# Altium PCB apt_battery_bms.PcbDoc (part 2 of 3) (continued)
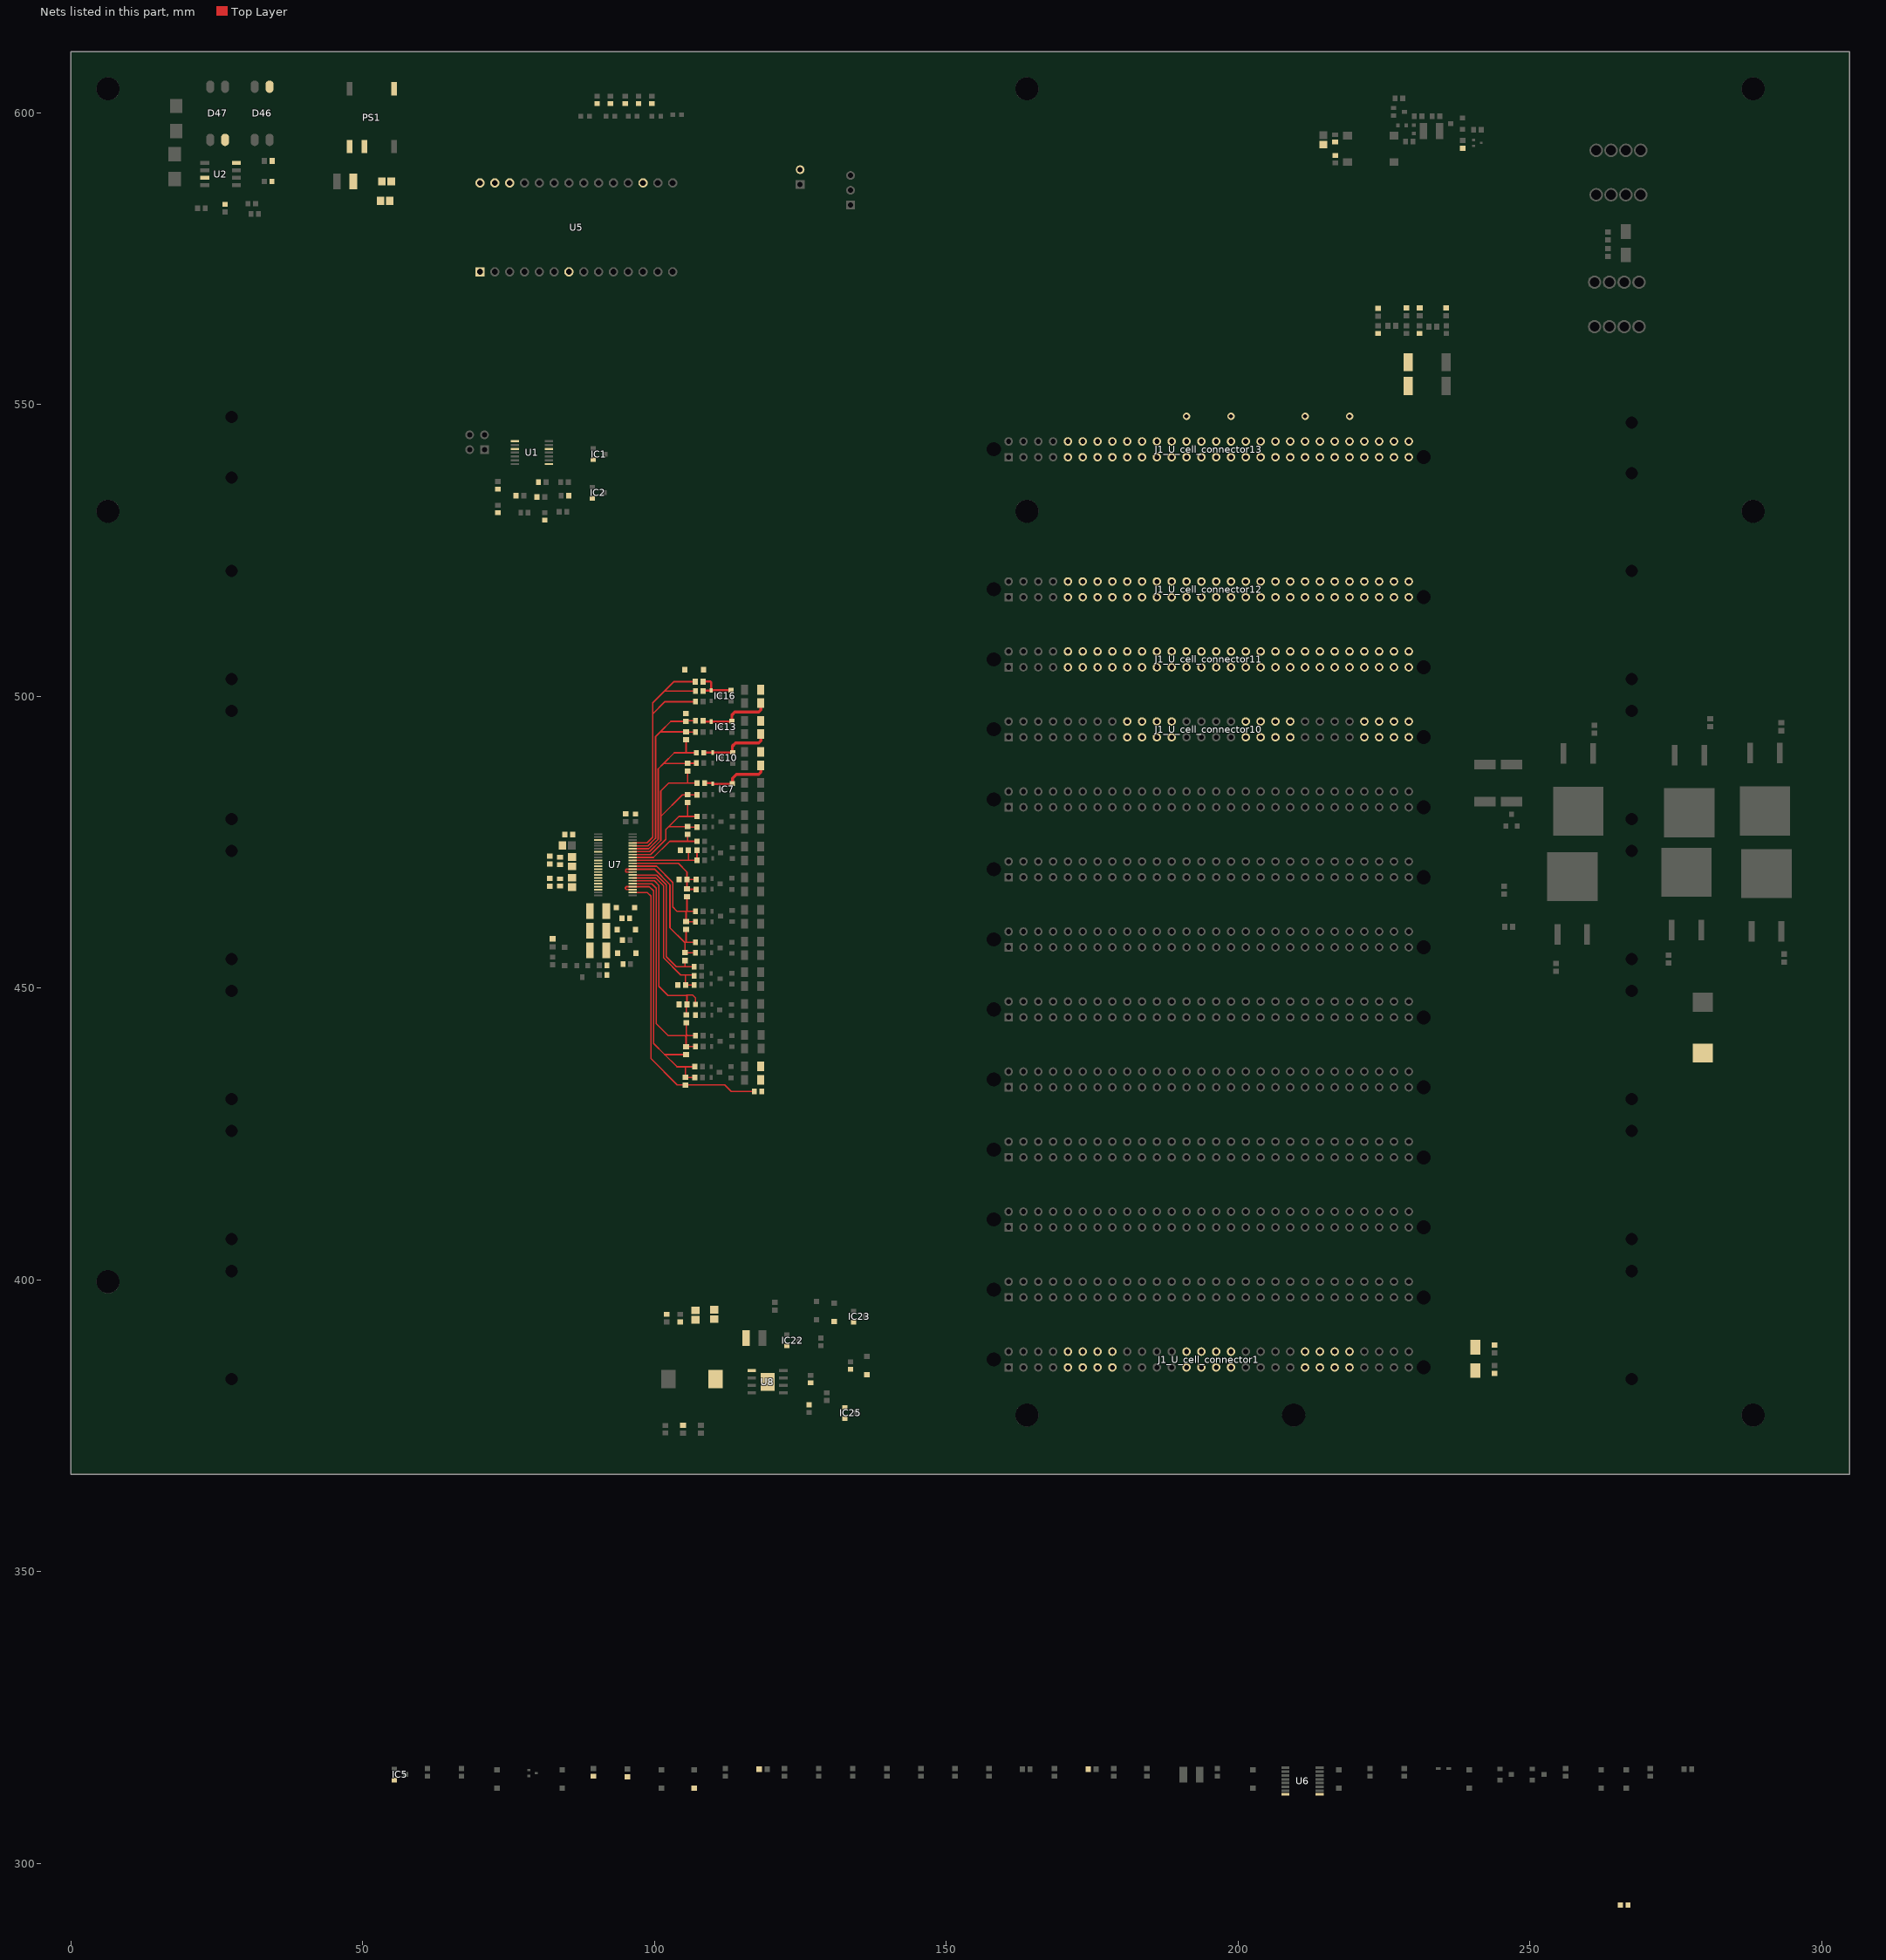
[diagram p2: the nets of this part, all layers, seen from the top]
## Part data (continued)
IC2 IC19: library part ZXMP10A13FTA, "MOSFET P-CH 100V 0.6A SOT23-3", Current - Continuous Drain (Id) @ 25°C="600mA (Ta)", Drain to Source Voltage (Vdss)=100V, Drive Voltage (Max Rds On,  Min Rds On)="6V, 10V", Input Capacitance (Ciss) (Max) @ Vds="141pF @ 50V", Manufacturer="Diodes Incorporated", Operating Temperature="-55°C ~ 150°C (TJ)", Package / Case="TO-236-3, SC-59, SOT-23-3", Power Dissipation (Max)="625mW (Ta)", Supplier Device Package=SOT-23-3, Supplier Part Number 1=ZXMP10A13FCT-ND, ComponentLink1Description=Datasheet, ComponentLink1URL=https://www.diodes.com/assets/Datasheets/ZXMP10A13F.pdf, ComponentLink2Description="DigiKey Link", ComponentLink2URL=http://digikey.com/product-detail/en/diodes-incorporated/ZXMP10A13FTA/ZXMP10A13FCT-ND/560670, FET Type=P-Channel, Gate Charge (Qg) (Max) @ Vgs="3.5nC @ 10V", LastUpdated="9/2/2020 1:25:04 AM", Lifecycle Status=Active, Minimum Order=1, Mounting Type="Surface Mount", Packaging=TapeAndReel, Part Number=ZXMP10A13FTA, Part Status=Active, Price=0.20, Rds On (Max) @ Id, Vgs="1Ohm @ 600mA, 10V", Series=-, Supplier 1=DigiKey, Technology="MOSFET (Metal Oxide)", Vgs (Max)=±20V, Vgs(th) (Max) @ Id="4V @ 250µA"
IC3: library part 2N7002-7-F, "MOSFET N-CH 60V 115MA SOT23-3", Current - Continuous Drain (Id) @ 25°C="115mA (Ta)", Drain to Source Voltage (Vdss)=60V, Drive Voltage (Max Rds On,  Min Rds On)="5V, 10V", Input Capacitance (Ciss) (Max) @ Vds="50pF @ 25V", Manufacturer="Diodes Incorporated", Operating Temperature="-55°C ~ 150°C (TJ)", Package / Case="TO-236-3, SC-59, SOT-23-3", Power Dissipation (Max)="370mW (Ta)", Supplier Device Package=SOT-23-3, Supplier Part Number 1=2N7002-FDICT-ND, ComponentLink1Description=Datasheet, ComponentLink1URL=https://www.diodes.com/assets/Datasheets/ds11303.pdf, ComponentLink2Description="DigiKey Link", ComponentLink2URL=http://digikey.com/product-detail/en/diodes-incorporated/2N7002-7-F/2N7002-FDICT-ND/717800, FET Type=N-Channel, LastUpdated="9/2/2020 1:25:03 AM", Lifecycle Status=Active, Minimum Order=1, Mounting Type="Surface Mount", Packaging=TapeAndReel, Part Number=2N7002-7-F, Part Status=Active, Price=0.03, Rds On (Max) @ Id, Vgs="7.5Ohm @ 50mA, 5V", Series=-, Supplier 1=DigiKey, Technology="MOSFET (Metal Oxide)", Vgs (Max)=±20V, Vgs(th) (Max) @ Id="2.5V @ 250µA"
IC4: library part BSS84-7-F, "MOSFET P-CH 50V 130MA SOT23-3", Current - Continuous Drain (Id) @ 25°C="130mA (Ta)", Drain to Source Voltage (Vdss)=50V, Drive Voltage (Max Rds On,  Min Rds On)=5V, Input Capacitance (Ciss) (Max) @ Vds="45pF @ 25V", Manufacturer="Diodes Incorporated", Operating Temperature="-55°C ~ 150°C (TJ)", Package / Case="TO-236-3, SC-59, SOT-23-3", Power Dissipation (Max)="300mW (Ta)", Supplier Device Package=SOT-23-3, Supplier Part Number 1=BSS84-FDICT-ND, ComponentLink1Description=Datasheet, ComponentLink1URL=https://www.diodes.com/assets/Datasheets/ds30149.pdf, ComponentLink2Description="DigiKey Link", ComponentLink2URL=http://digikey.com/product-detail/en/diodes-incorporated/BSS84-7-F/BSS84-FDICT-ND/717844, FET Type=P-Channel, LastUpdated="9/2/2020 1:25:04 AM", Lifecycle Status=Active, Minimum Order=1, Mounting Type="Surface Mount", Packaging=TapeAndReel, Part Number=BSS84-7-F, Part Status=Active, Price=0.03, Rds On (Max) @ Id, Vgs="10Ohm @ 100mA, 5V", Series=-, Supplier 1=DigiKey, Technology="MOSFET (Metal Oxide)", Vgs (Max)=±20V, Vgs(th) (Max) @ Id="2V @ 1mA"
IC6 IC7 IC8 IC9 IC10 IC11 IC12 IC13 IC14 IC15 IC16 IC17 IC18: library part DMG2302UK-7, "MOSFET N-CH 20V 2.8A SOT23", Current - Continuous Drain (Id) @ 25°C="2.8A (Ta)", Drain to Source Voltage (Vdss)=20V, Drive Voltage (Max Rds On,  Min Rds On)="2.5V, 4.5V", Input Capacitance (Ciss) (Max) @ Vds="130pF @ 10V", Manufacturer="Diodes Incorporated", Operating Temperature="-55°C ~ 150°C (TJ)", Package / Case="TO-236-3, SC-59, SOT-23-3", Power Dissipation (Max)="660mW (Ta)", Supplier Device Package=SOT-23, Supplier Part Number 1=DMG2302UK-7DICT-ND, ComponentLink1Description=Datasheet, ComponentLink1URL=https://www.diodes.com/assets/Datasheets/DMG2302UK.pdf, ComponentLink2Description="DigiKey Link", ComponentLink2URL=http://digikey.com/product-detail/en/diodes-incorporated/DMG2302UK-7/DMG2302UK-7DICT-ND/6010163, FET Type=N-Channel, Gate Charge (Qg) (Max) @ Vgs="2.8nC @ 10V", LastUpdated="9/2/2020 1:25:02 AM", Lifecycle Status=Active, Minimum Order=1, Mounting Type="Surface Mount", Packaging=TapeAndReel, Part Number=DMG2302UK-7, Part Status=Active, Price=0.06, Rds On (Max) @ Id, Vgs="90mOhm @ 3.6A, 4.5V", Series="Automotive, AEC-Q101", Supplier 1=DigiKey, Technology="MOSFET (Metal Oxide)", Vgs (Max)=±12V, Vgs(th) (Max) @ Id="1V @ 250µA"
IC22 IC24: "MOSFET P-CH 100V 0.6A SOT23-3", Current - Continuous Drain (Id) @ 25°C="600mA (Ta)", Drain to Source Voltage (Vdss)=100V, Drive Voltage (Max Rds On,  Min Rds On)="6V, 10V", Input Capacitance (Ciss) (Max) @ Vds="141pF @ 50V", Manufacturer="Diodes Incorporated", Operating Temperature="-55°C ~ 150°C (TJ)", Package / Case="TO-236-3, SC-59, SOT-23-3", Power Dissipation (Max)="625mW (Ta)", Supplier Device Package=SOT-23-3, Supplier Part Number 1=ZXMP10A13FCT-ND, ComponentLink1Description=Datasheet, ComponentLink1URL=https://www.diodes.com/assets/Datasheets/ZXMP10A13F.pdf, ComponentLink2Description="DigiKey Link", ComponentLink2URL=http://digikey.com/product-detail/en/diodes-incorporated/ZXMP10A13FTA/ZXMP10A13FCT-ND/560670, FET Type=P-Channel, Gate Charge (Qg) (Max) @ Vgs="3.5nC @ 10V", LastUpdated="9/2/2020 1:25:04 AM", Lifecycle Status=Active, Minimum Order=1, Mounting Type="Surface Mount", Packaging=TapeAndReel, Part Number=ZXMP10A13FTA, Part Status=Active, Price=0.20, Rds On (Max) @ Id, Vgs="1Ohm @ 600mA, 10V", Series=-, Supplier 1=DigiKey, Technology="MOSFET (Metal Oxide)", Vgs (Max)=±20V, Vgs(th) (Max) @ Id="4V @ 250µA"
IC23: "MOSFET N-CH 100V 170MA SOT-23", Current - Continuous Drain (Id) @ 25°C="170mA (Ta)", Drain to Source Voltage (Vdss)=100V, Drive Voltage (Max Rds On,  Min Rds On)="4.5V, 10V", Input Capacitance (Ciss) (Max) @ Vds="73pF @ 25V", Manufacturer="ON Semiconductor", Operating Temperature="-55°C ~ 150°C (TJ)", Package / Case="TO-236-3, SC-59, SOT-23-3", Power Dissipation (Max)="360mW (Ta)", Supplier Device Package=SOT-23-3, Supplier Part Number 1=BSS123NCT-ND, ComponentLink1Description=Datasheet, ComponentLink1URL=https://www.onsemi.com/pub/Collateral/BSS123-D.PDF, ComponentLink2Description="DigiKey Link", ComponentLink2URL=http://digikey.com/product-detail/en/on-semiconductor/BSS123/BSS123NCT-ND/244665, FET Type=N-Channel, Gate Charge (Qg) (Max) @ Vgs="2.5nC @ 10V", LastUpdated="9/2/2020 1:25:08 AM", Lifecycle Status=Active, Minimum Order=1, Mounting Type="Surface Mount", Packaging=TapeAndReel, Part Number=BSS123, Part Status=Active, Price=0.06, Rds On (Max) @ Id, Vgs="6Ohm @ 170mA, 10V", Series=-, Supplier 1=DigiKey, Technology="MOSFET (Metal Oxide)", Vgs (Max)=±20V, Vgs(th) (Max) @ Id="2V @ 1mA"
IC25: "MOSFET N-CH 60V 115MA SOT23-3", Current - Continuous Drain (Id) @ 25°C="115mA (Ta)", Drain to Source Voltage (Vdss)=60V, Drive Voltage (Max Rds On,  Min Rds On)="5V, 10V", Input Capacitance (Ciss) (Max) @ Vds="50pF @ 25V", Manufacturer="Diodes Incorporated", Operating Temperature="-55°C ~ 150°C (TJ)", Package / Case="TO-236-3, SC-59, SOT-23-3", Power Dissipation (Max)="370mW (Ta)", Supplier Device Package=SOT-23-3, Supplier Part Number 1=2N7002-FDICT-ND, ComponentLink1Description=Datasheet, ComponentLink1URL=https://www.diodes.com/assets/Datasheets/ds11303.pdf, ComponentLink2Description="DigiKey Link", ComponentLink2URL=http://digikey.com/product-detail/en/diodes-incorporated/2N7002-7-F/2N7002-FDICT-ND/717800, FET Type=N-Channel, LastUpdated="9/2/2020 1:25:03 AM", Lifecycle Status=Active, Minimum Order=1, Mounting Type="Surface Mount", Packaging=TapeAndReel, Part Number=2N7002-7-F, Part Status=Active, Price=0.03, Rds On (Max) @ Id, Vgs="7.5Ohm @ 50mA, 5V", Series=-, Supplier 1=DigiKey, Technology="MOSFET (Metal Oxide)", Vgs (Max)=±20V, Vgs(th) (Max) @ Id="2.5V @ 250µA"
J1_U_cell_connector1 J1_U_cell_connector2 J1_U_cell_connector3 J1_U_cell_connector4 J1_U_cell_connector5 J1_U_cell_connector6 J1_U_cell_connector7 J1_U_cell_connector8 J1_U_cell_connector9 J1_U_cell_connector10 J1_U_cell_connector11 J1_U_cell_connector12 J1_U_cell_connector13: library part "10119810-002LF - Connector", "56 Position Female Connector Non Specified - Dual Edge Gold or Gold, GXT™  Black", Manufacturer="Amphenol ICC (FCI)", Supplier Part Number 1=10119810-002LF-ND, ComponentLink1Description=https://cdn.amphenol-icc.com/media/wysiwyg/files/drawing/10119810.pdf, ComponentLink1URL=https://cdn.amphenol-icc.com/media/wysiwyg/files/drawing/10119810.pdf, Detailed Description="56 Position Female Connector Non Specified - Dual Edge Gold or Gold, GXT™  Black", Manufacturer Part Number=10119810-002LF, Supplier 1=Digi-Key, System=Connector
J3 J5: "TERM REDCUBE M4 8PIN PCB 160A Current", Current Rating=160A, Manufacturer="Wurth Electronics", Max Operating Temperature=135°C, Min Operating Temperature=-40°C, Mouser Part Number=710-7460307, Package Quantity=250, Supplier Part Number 1=732-3201-ND, ComponentLink1Description=http://www.farnell.com/datasheets/1736661.pdf?src-supplier=Newark, ComponentLink1URL=http://www.farnell.com/datasheets/1736661.pdf?src-supplier=Newark, ComponentLink2Description=http://www.mouser.com/ds/2/445/7460307-537852.pdf?src-supplier=Mouser, ComponentLink2URL=http://www.mouser.com/ds/2/445/7460307-537852.pdf?src-supplier=Mouser, ComponentLink3Description=https://katalog.we-online.de/em/datasheet/7460307.pdf?src-supplier=Digi-Key, ComponentLink3URL=https://katalog.we-online.de/em/datasheet/7460307.pdf?src-supplier=Digi-Key, ComponentLink4Description=http://www.farnell.com/datasheets/1736661.pdf?src-supplier=Element14, ComponentLink4URL=http://www.farnell.com/datasheets/1736661.pdf?src-supplier=Element14, Contact Material=Copper, Contact Plating=Tin, Datasheet Link=https://katalog.we-online.com/em/datasheet/7460307.pdf, Height=7mm, Insulation=Non-Insulated, Length=9mm, Manufacturer Part Number=7460307, Mount="Through Hole", Mouser Price/Stock=https://www.mouser.co.uk/ProductDetail/Wurth-Elektronik/7460307?qs=lykWx4dhCCG1TLZtVq%252B8cQ%3D%3D, Number of Contacts=8, Number of Pins=8, Number of Rows=2, Packaging=Bulk, Pricing 1="1=2.55, 10=2.356, 50=2.142, 100=1.947, 500=1.693 (USD)", REACH SVHC=Unknown, Stock 1=4846, Supplier 1=Digi-Key, Termination=Press-Fit, Thread Size=M4, Width=9mm
L1: library part SLF10145T-680M1R2-PF, "FIXED IND 68UH 1.3A 168 MOHM SMD", Current - Saturation=1.2A, Current Rating (Amps)=1.3A, DC Resistance (DCR)="168mOhm Max", Device Package=Nonstandard, Inductance Frequency - Test=1kHz, Manufacturer="TDK Corporation", Operating Temperature="-40°C ~ 105°C", Supplier Part Number 1=445-1987-1-ND, Tolerance=±20%, ComponentLink1Description=Datasheet, ComponentLink1URL=https://product.tdk.com/info/en/catalog/datasheets/inductor_commercial_power_slf10145_en.pdf?ref_disty=digikey, ComponentLink2Description="DigiKey Link", ComponentLink2URL=http://digikey.com/product-detail/en/tdk-corporation/SLF10145T-680M1R2-PF/445-1987-1-ND/755394, Height - Seated (Max)="0.189\" (4.80mm)", Inductance=68µH, LastUpdated="9/2/2020 1:22:12 AM", Lifecycle Status=Active, Material - Core=Ferrite, Minimum Order=1, Mounting Type="Surface Mount", Package / Case=Nonstandard, Packaging=TapeAndReel, PartId=81, Part Number=SLF10145T-680M1R2-PF, Part Status=Active, Price=0.54, Series=SLF, Shielding=Shielded, Size / Dimension="0.398\" L x 0.398\" W (10.10mm x 10.10mm)", Supplier 1=DigiKey, Type=Wirewound
P1: "Header, 2-Pin, Dual row", LatestRevisionDate=17-Jul-2002, LatestRevisionNote="Re-released for DXP Platform.", Publisher="Altium Limited"
P6: "Header, 3-Pin", LatestRevisionDate=17-Jul-2002, LatestRevisionNote="Re-released for DXP Platform.", Publisher="Altium Limited"
P7: "Header, 2-Pin", LatestRevisionDate=17-Jul-2002, LatestRevisionNote="Re-released for DXP Platform.", Publisher="Altium Limited"
PS1: "Isolated DC/DC Converters DC-DC, 1W, Unregulated, SMD, HIGH ISOLATION", Manufacturer="XP Power", Mouser Part Number=209-IES0105S05-H, ComponentLink1Description=https://www.mouser.com/datasheet/2/942/SF_IES01-1666999.pdf, ComponentLink1URL=https://www.mouser.com/datasheet/2/942/SF_IES01-1666999.pdf, Datasheet Link=https://www.mouser.com/datasheet/2/942/SF_IES01-1666999.pdf, Height=7.35mm, Manufacturer Part Number=IES0105S05-H, Mouser Price/Stock=https://www.mouser.co.uk/ProductDetail/XP-Power/IES0105S05-H?qs=Cb2nCFKsA8q04%252BaEkllcdA%3D%3D, Pricing 1="1=3.4, 5=3.3, 10=3.2, 25=3.06, 50=3.06, 100=2.85 (USD)", Pricing 2="1=3.4, 5=3.298, 10=3.196, 25=3.06, 100=2.856 (USD)", Stock 1=83, Stock 2=150, Supplier 1=Mouser, Supplier 2=Digi-Key, Supplier Part Number 1=209-IES0105S05-H, Supplier Part Number 2=1470-IES0105S05-H-ND
Q4 Q5 Q6 Q7 Q8 Q9: "This 100 V, 2.0 m D2PAK (TO-263) NexFET power MOSFET is designed to minimize losses in power conversion applications.", Case/Package=D2PAK, Continuous Drain Current (ID)=200A, Drain to Source Voltage (Vdss)=100V, Gate to Source Voltage (Vgs)=20V, Input Capacitance=12nF, Manufacturer="Texas Instruments", Max Operating Temperature=175°C, Max Power Dissipation=375W, Min Operating Temperature=-55°C, Supplier Part Number 1=296-47254-6-ND, ComponentLink1Description=http://www.ti.com/lit/gpn/csd19536ktt?src-supplier=Mouser, ComponentLink1URL=http://www.ti.com/lit/gpn/csd19536ktt?src-supplier=Mouser, ComponentLink2Description=http://www.ti.com/general/docs/lit/getliterature.tsp?genericPartNumber=CSD19536KTT&amp;&amp;fileType=pdf&src-supplier=Avnet+Asia, ComponentLink2URL=http://www.ti.com/general/docs/lit/getliterature.tsp?genericPartNumber=CSD19536KTT&amp;&amp;fileType=pdf&src-supplier=Avnet+Asia, ComponentLink3Description=http://www.ti.com/lit/ds/symlink/csd19536ktt.pdf?src-supplier=Digi-Key, ComponentLink3URL=http://www.ti.com/lit/ds/symlink/csd19536ktt.pdf?src-supplier=Digi-Key, ComponentLink4Description=http://www.ti.com/general/docs/suppproductinfo.tsp?distId=10&amp;gotoUrl=http%3A%2F%2Fwww.ti.com%2Flit%2Fgpn%2Fcsd19536ktt&src-supplier=Digi-Key, ComponentLink4URL=http://www.ti.com/general/docs/suppproductinfo.tsp?distId=10&amp;gotoUrl=http%3A%2F%2Fwww.ti.com%2Flit%2Fgpn%2Fcsd19536ktt&src-supplier=Digi-Key, ComponentLink5Description=http://www.ti.com/general/docs/lit/getliterature.tsp?genericPartNumber=CSD19536KTT&&fileType=pdf&src-supplier=Avnet, ComponentLink5URL=http://www.ti.com/general/docs/lit/getliterature.tsp?genericPartNumber=CSD19536KTT&&fileType=pdf&src-supplier=Avnet, Contact Plating=Tin, Element Configuration=Single, Fall Time=6ns, Lead Free="Contains Lead", Manufacturer Part Number=CSD19536KTT, Mount="Surface Mount", Packaging="Tape and Reel", Pricing 1="1=4.98, 10=4.47, 25=4.2256, 100=3.3804 (USD)", Rds On Max=2.4mR, Rise Time=8ns, Stock 1=4702, Supplier 1=Digi-Key, Turn-Off Delay Time=32ns, Turn-On Delay Time=13ns
R1 R6 R27 R40 R105 R117: library part CRCW06031M00FKEA, "RES SMD 1M OHM 1% 1/10W 0603", Device Package="0603 (1608 Metric)", Manufacturer="Vishay Dale", Operating Temperature="-55°C ~ 155°C", Power (Watts)="0.1W, 1/10W", Ratings=AEC-Q200, Supplier Device Package=0603, Supplier Part Number 1=541-1.00MHCT-ND, Temperature Coefficient=±100ppm/°C, Tolerance=±1%, ComponentLink1Description=Datasheet, ComponentLink1URL=http://www.vishay.com/docs/20035/dcrcwe3.pdf, ComponentLink2Description="DigiKey Link", ComponentLink2URL=http://digikey.com/product-detail/en/vishay-dale/CRCW06031M00FKEA/541-1.00MHCT-ND/1180152, Composition="Thick Film", Features="Automotive AEC-Q200", Height - Seated (Max)="0.020\" (0.50mm)", LastUpdated="9/2/2020 1:10:09 AM", Lifecycle Status=Active, Minimum Order=1, Number of Terminations=2, Package / Case="0603 (1608 Metric)", Packaging=CutTape, PartId=12567, Part Number=CRCW06031M00FKEA, Part Status=Active, Price=0.10, Resistance="1 MOhms", Series=CRCW, Size / Dimension="0.061\" L x 0.033\" W (1.55mm x 0.85mm)", Supplier 1=DigiKey
R2 R39: library part CRCW06033M30FKEA, "RES SMD 3.3M OHM 1% 1/10W 0603", Device Package="0603 (1608 Metric)", Manufacturer="Vishay Dale", Operating Temperature="-55°C ~ 155°C", Power (Watts)="0.1W, 1/10W", Ratings=AEC-Q200, Supplier Device Package=0603, Supplier Part Number 1=541-3.30MHCT-ND, Temperature Coefficient=±100ppm/°C, Tolerance=±1%, ComponentLink1Description=Datasheet, ComponentLink1URL=http://www.vishay.com/docs/20035/dcrcwe3.pdf, ComponentLink2Description="DigiKey Link", ComponentLink2URL=http://digikey.com/product-detail/en/vishay-dale/CRCW06033M30FKEA/541-3.30MHCT-ND/1180209, Composition="Thick Film", Features="Automotive AEC-Q200", Height - Seated (Max)="0.020\" (0.50mm)", LastUpdated="9/2/2020 1:09:32 AM", Lifecycle Status=Active, Minimum Order=1, Number of Terminations=2, Package / Case="0603 (1608 Metric)", Packaging=CutTape, PartId=25411, Part Number=CRCW06033M30FKEA, Part Status=Active, Price=0.10, Resistance="3.3 MOhms", Series=CRCW, Size / Dimension="0.061\" L x 0.033\" W (1.55mm x 0.85mm)", Supplier 1=DigiKey
R3 R5 R7 R10 R12 R13 R50 R61 R62 R63 R73 R74 R75 R85 R86 R87 R99 R100 R101 R111: library part CRCW060310K0FKEA, "RES SMD 10K OHM 1% 1/10W 0603", Device Package="0603 (1608 Metric)", Manufacturer="Vishay Dale", Operating Temperature="-55°C ~ 155°C", Power (Watts)="0.1W, 1/10W", Ratings=AEC-Q200, Supplier Device Package=0603, Supplier Part Number 1=541-10.0KHCT-ND, Temperature Coefficient=±100ppm/°C, Tolerance=±1%, ComponentLink1Description=Datasheet, ComponentLink1URL=http://www.vishay.com/docs/20035/dcrcwe3.pdf, ComponentLink2Description="DigiKey Link", ComponentLink2URL=http://digikey.com/product-detail/en/vishay-dale/CRCW060310K0FKEA/541-10.0KHCT-ND/1179924, Composition="Thick Film", Features="Automotive AEC-Q200", Height - Seated (Max)="0.020\" (0.50mm)", LastUpdated="9/2/2020 1:09:36 AM", Lifecycle Status=Active, Minimum Order=1, Number of Terminations=2, Package / Case="0603 (1608 Metric)", Packaging=CutTape, PartId=24636, Part Number=CRCW060310K0FKEA, Part Status=Active, Price=0.10, Resistance="10 kOhms", Series=CRCW, Size / Dimension="0.061\" L x 0.033\" W (1.55mm x 0.85mm)", Supplier 1=DigiKey
R4 R44 R47 R110: library part NTCS0603E3103FMT, "THERMISTOR NTC 10KOHM 3610K 0603", B Value Tolerance=±1%, Device Package="0603 (1608 Metric)", Manufacturer="Vishay BC Components", Operating Temperature="-40°C ~ 150°C", Power - Max=125mW, Supplier Part Number 1=BC2472CT-ND, B25/85=3610K, ComponentLink1Description=Datasheet, ComponentLink1URL=http://www.vishay.com/docs/29056/ntcs0603e3t.pdf, ComponentLink2Description="DigiKey Link", ComponentLink2URL=http://digikey.com/product-detail/en/vishay-bc-components/NTCS0603E3103FMT/BC2472CT-ND/2230853, LastUpdated="9/2/2020 1:22:38 AM", Lifecycle Status=Active, Minimum Order=1, Mounting Type="Surface Mount", Package / Case="0603 (1608 Metric)", Packaging=TapeAndReel, PartId=450, Part Number=NTCS0603E3103FMT, Part Status=Active, Price=0.38, Resistance in Ohms @ 25°C=10k, Resistance Tolerance=±1%, Series="Automotive, AEC-Q200", Supplier 1=DigiKey
R8 R38: library part CRCW060316K5FKEA, "RES SMD 16.5K OHM 1% 1/10W 0603", Device Package="0603 (1608 Metric)", Manufacturer="Vishay Dale", Operating Temperature="-55°C ~ 155°C", Power (Watts)="0.1W, 1/10W", Ratings=AEC-Q200, Supplier Device Package=0603, Supplier Part Number 1=541-16.5KHCT-ND, Temperature Coefficient=±100ppm/°C, Tolerance=±1%, ComponentLink1Description=Datasheet, ComponentLink1URL=http://www.vishay.com/docs/20035/dcrcwe3.pdf, ComponentLink2Description="DigiKey Link", ComponentLink2URL=http://digikey.com/product-detail/en/vishay-dale/CRCW060316K5FKEA/541-16.5KHCT-ND/1179947, Composition="Thick Film", Features="Automotive AEC-Q200", Height - Seated (Max)="0.020\" (0.50mm)", LastUpdated="9/2/2020 1:09:44 AM", Lifecycle Status=Active, Minimum Order=1, Number of Terminations=2, Package / Case="0603 (1608 Metric)", Packaging=CutTape, PartId=22960, Part Number=CRCW060316K5FKEA, Part Status=Active, Price=0.10, Resistance="16.5 kOhms", Series=CRCW, Size / Dimension="0.061\" L x 0.033\" W (1.55mm x 0.85mm)", Supplier 1=DigiKey
R9: library part CRCW0603120RFKEA, "RES SMD 120 OHM 1% 1/10W 0603", Device Package="0603 (1608 Metric)", Manufacturer="Vishay Dale", Operating Temperature="-55°C ~ 155°C", Power (Watts)="0.1W, 1/10W", Ratings=AEC-Q200, Supplier Device Package=0603, Supplier Part Number 1=541-120HCT-ND, Temperature Coefficient=±100ppm/°C, Tolerance=±1%, ComponentLink1Description=Datasheet, ComponentLink1URL=http://www.vishay.com/docs/20035/dcrcwe3.pdf, ComponentLink2Description="DigiKey Link", ComponentLink2URL=http://digikey.com/product-detail/en/vishay-dale/CRCW0603120RFKEA/541-120HCT-ND/1179703, Composition="Thick Film", Features="Automotive AEC-Q200", Height - Seated (Max)="0.020\" (0.50mm)", LastUpdated="9/2/2020 1:10:08 AM", Lifecycle Status=Active, Minimum Order=1, Number of Terminations=2, Package / Case="0603 (1608 Metric)", Packaging=CutTape, PartId=12619, Part Number=CRCW0603120RFKEA, Part Status=Active, Price=0.10, Resistance="120 Ohms", Series=CRCW, Size / Dimension="0.061\" L x 0.033\" W (1.55mm x 0.85mm)", Supplier 1=DigiKey
R11: library part CRCW06036K80FKEA, "RES SMD 6.8K OHM 1% 1/10W 0603", Device Package="0603 (1608 Metric)", Manufacturer="Vishay Dale", Operating Temperature="-55°C ~ 155°C", Power (Watts)="0.1W, 1/10W", Ratings=AEC-Q200, Supplier Device Package=0603, Supplier Part Number 1=541-6.80KHCT-ND, Temperature Coefficient=±100ppm/°C, Tolerance=±1%, ComponentLink1Description=Datasheet, ComponentLink1URL=http://www.vishay.com/docs/20035/dcrcwe3.pdf, ComponentLink2Description="DigiKey Link", ComponentLink2URL=http://digikey.com/product-detail/en/vishay-dale/CRCW06036K80FKEA/541-6.80KHCT-ND/1179904, Composition="Thick Film", Features="Automotive AEC-Q200", Height - Seated (Max)="0.020\" (0.50mm)", LastUpdated="9/2/2020 1:10:08 AM", Lifecycle Status=Active, Minimum Order=1, Number of Terminations=2, Package / Case="0603 (1608 Metric)", Packaging=CutTape, PartId=12650, Part Number=CRCW06036K80FKEA, Part Status=Active, Price=0.10, Resistance="6.8 kOhms", Series=CRCW, Size / Dimension="0.061\" L x 0.033\" W (1.55mm x 0.85mm)", Supplier 1=DigiKey
R14 R25: library part CRCW060347R0FKEA, "RES SMD 47 OHM 1% 1/10W 0603", Device Package="0603 (1608 Metric)", Manufacturer="Vishay Dale", Operating Temperature="-55°C ~ 155°C", Power (Watts)="0.1W, 1/10W", Ratings=AEC-Q200, Supplier Device Package=0603, Supplier Part Number 1=541-47.0HCT-ND, Temperature Coefficient=±100ppm/°C, Tolerance=±1%, ComponentLink1Description=Datasheet, ComponentLink1URL=http://www.vishay.com/docs/20035/dcrcwe3.pdf, ComponentLink2Description="DigiKey Link", ComponentLink2URL=http://digikey.com/product-detail/en/vishay-dale/CRCW060347R0FKEA/541-47.0HCT-ND/1179657, Composition="Thick Film", Features="Automotive AEC-Q200", Height - Seated (Max)="0.020\" (0.50mm)", LastUpdated="9/2/2020 1:10:02 AM", Lifecycle Status=Active, Minimum Order=1, Number of Terminations=2, Package / Case="0603 (1608 Metric)", Packaging=CutTape, PartId=15336, Part Number=CRCW060347R0FKEA, Part Status=Active, Price=0.10, Resistance="47 Ohms", Series=CRCW, Size / Dimension="0.061\" L x 0.033\" W (1.55mm x 0.85mm)", Supplier 1=DigiKey
R15 R16 R17 R18 R19 R31: library part CRCW0603510RFKEA, "RES SMD 510 OHM 1% 1/10W 0603", Device Package="0603 (1608 Metric)", Manufacturer="Vishay Dale", Operating Temperature="-55°C ~ 155°C", Power (Watts)="0.1W, 1/10W", Ratings=AEC-Q200, Supplier Device Package=0603, Supplier Part Number 1=541-510HCT-ND, Temperature Coefficient=±100ppm/°C, Tolerance=±1%, ComponentLink1Description=Datasheet, ComponentLink1URL=http://www.vishay.com/docs/20035/dcrcwe3.pdf, ComponentLink2Description="DigiKey Link", ComponentLink2URL=http://digikey.com/product-detail/en/vishay-dale/CRCW0603510RFKEA/541-510HCT-ND/1179775, Composition="Thick Film", Features="Automotive AEC-Q200", Height - Seated (Max)="0.020\" (0.50mm)", LastUpdated="9/2/2020 1:10:08 AM", Lifecycle Status=Active, Minimum Order=1, Number of Terminations=2, Package / Case="0603 (1608 Metric)", Packaging=CutTape, PartId=12640, Part Number=CRCW0603510RFKEA, Part Status=Active, Price=0.10, Resistance="510 Ohms", Series=CRCW, Size / Dimension="0.061\" L x 0.033\" W (1.55mm x 0.85mm)", Supplier 1=DigiKey
R20 R21 R22 R23 R107 R116: library part CRCW060310M0FKEA, "RES SMD 10M OHM 1% 1/10W 0603", Device Package="0603 (1608 Metric)", Manufacturer="Vishay Dale", Operating Temperature="-55°C ~ 155°C", Power (Watts)="0.1W, 1/10W", Ratings=AEC-Q200, Supplier Device Package=0603, Supplier Part Number 1=541-10.0MHCT-ND, Temperature Coefficient=±100ppm/°C, Tolerance=±1%, ComponentLink1Description=Datasheet, ComponentLink1URL=http://www.vishay.com/docs/20035/dcrcwe3.pdf, ComponentLink2Description="DigiKey Link", ComponentLink2URL=http://digikey.com/product-detail/en/vishay-dale/CRCW060310M0FKEA/541-10.0MHCT-ND/1180266, Composition="Thick Film", Features="Automotive AEC-Q200", Height - Seated (Max)="0.020\" (0.50mm)", LastUpdated="9/2/2020 1:10:08 AM", Lifecycle Status=Active, Minimum Order=1, Number of Terminations=2, Package / Case="0603 (1608 Metric)", Packaging=CutTape, PartId=12816, Part Number=CRCW060310M0FKEA, Part Status=Active, Price=0.10, Resistance="10 MOhms", Series=CRCW, Size / Dimension="0.061\" L x 0.033\" W (1.55mm x 0.85mm)", Supplier 1=DigiKey
R24 R30 R33 R34 R37 R109 R122 R123 R124 R125: library part CRCW0603100RFKTA, "RES SMD 100 OHM 1% 1/10W 0603", Device Package="0603 (1608 Metric)", Manufacturer="Vishay Dale", Operating Temperature="-55°C ~ 155°C", Power (Watts)="0.1W, 1/10W", Ratings=AEC-Q200, Supplier Device Package=0603, Supplier Part Number 1=541-2976-1-ND, Temperature Coefficient=±100ppm/°C, Tolerance=±1%, ComponentLink1Description=Datasheet, ComponentLink1URL=http://www.vishay.com/docs/20008/dcrcw.pdf, ComponentLink2Description="DigiKey Link", ComponentLink2URL=http://digikey.com/product-detail/en/vishay-dale/CRCW0603100RFKTA/541-2976-1-ND/6073619, Composition="Thick Film", Features="Automotive AEC-Q200", Height - Seated (Max)="0.020\" (0.50mm)", LastUpdated="9/2/2020 1:09:58 AM", Lifecycle Status=Active, Minimum Order=1, Number of Terminations=2, Package / Case="0603 (1608 Metric)", Packaging=TapeAndReel, PartId=17521, Part Number=CRCW0603100RFKTA, Part Status=Active, Price=0.01, Resistance="100 Ohms", Series=CRCW, Size / Dimension="0.063\" L x 0.033\" W (1.60mm x 0.85mm)", Supplier 1=DigiKey
R26 R42: library part CRCW0603200RFKEA, "RES SMD 200 OHM 1% 1/10W 0603", Device Package="0603 (1608 Metric)", Manufacturer="Vishay Dale", Operating Temperature="-55°C ~ 155°C", Power (Watts)="0.1W, 1/10W", Ratings=AEC-Q200, Supplier Device Package=0603, Supplier Part Number 1=541-200HCT-ND, Temperature Coefficient=±100ppm/°C, Tolerance=±1%, ComponentLink1Description=Datasheet, ComponentLink1URL=http://www.vishay.com/docs/20035/dcrcwe3.pdf, ComponentLink2Description="DigiKey Link", ComponentLink2URL=http://digikey.com/product-detail/en/vishay-dale/CRCW0603200RFKEA/541-200HCT-ND/1179727, Composition="Thick Film", Features="Automotive AEC-Q200", Height - Seated (Max)="0.020\" (0.50mm)", LastUpdated="9/2/2020 1:10:09 AM", Lifecycle Status=Active, Minimum Order=1, Number of Terminations=2, Package / Case="0603 (1608 Metric)", Packaging=CutTape, PartId=12561, Part Number=CRCW0603200RFKEA, Part Status=Active, Price=0.10, Resistance="200 Ohms", Series=CRCW, Size / Dimension="0.061\" L x 0.033\" W (1.55mm x 0.85mm)", Supplier 1=DigiKey
R28 R29 R32 R35 R41 R46 R51 R52 R53 R64 R65 R66 R76 R77 R78 R88 R89 R90 R91 R95 R102 R103 R104: library part CRCW06031K00FKEA, "RES SMD 1K OHM 1% 1/10W 0603", Device Package="0603 (1608 Metric)", Manufacturer="Vishay Dale", Operating Temperature="-55°C ~ 155°C", Power (Watts)="0.1W, 1/10W", Ratings=AEC-Q200, Supplier Device Package=0603, Supplier Part Number 1=541-1.00KHCT-ND, Temperature Coefficient=±100ppm/°C, Tolerance=±1%, ComponentLink1Description=Datasheet, ComponentLink1URL=http://www.vishay.com/docs/20035/dcrcwe3.pdf, ComponentLink2Description="DigiKey Link", ComponentLink2URL=http://digikey.com/product-detail/en/vishay-dale/CRCW06031K00FKEA/541-1.00KHCT-ND/1179809, Composition="Thick Film", Features="Automotive AEC-Q200", Height - Seated (Max)="0.020\" (0.50mm)", LastUpdated="9/2/2020 1:09:36 AM", Lifecycle Status=Active, Minimum Order=1, Number of Terminations=2, Package / Case="0603 (1608 Metric)", Packaging=CutTape, PartId=24637, Part Number=CRCW06031K00FKEA, Part Status=Active, Price=0.10, Resistance="1 kOhms", Series=CRCW, Size / Dimension="0.061\" L x 0.033\" W (1.55mm x 0.85mm)", Supplier 1=DigiKey
R36: library part RC0603FR-07665KL, "RES SMD 665K OHM 1% 1/10W 0603", Device Package="0603 (1608 Metric)", Manufacturer=Yageo, Operating Temperature="-55°C ~ 155°C", Power (Watts)="0.1W, 1/10W", Supplier Device Package=0603, Supplier Part Number 1=311-665KHRCT-ND, Temperature Coefficient=±100ppm/°C, Tolerance=±1%, ComponentLink1Description=Datasheet, ComponentLink1URL=https://www.yageo.com/upload/media/product/productsearch/datasheet/rchip/PYu-RC_Group_51_RoHS_L_10.pdf, ComponentLink2Description="DigiKey Link", ComponentLink2URL=http://digikey.com/product-detail/en/yageo/RC0603FR-07665KL/311-665KHRCT-ND/730297, Composition="Thick Film", Features="Moisture Resistant", Height - Seated (Max)="0.022\" (0.55mm)", LastUpdated="9/2/2020 1:09:44 AM", Lifecycle Status=Active, Minimum Order=1, Number of Terminations=2, Package / Case="0603 (1608 Metric)", Packaging=CutTape, PartId=22846, Part Number=RC0603FR-07665KL, Part Status=Active, Price=0.10, Resistance="665 kOhms", Series=RC, Size / Dimension="0.063\" L x 0.031\" W (1.60mm x 0.80mm)", Supplier 1=DigiKey
R43 R45 R60: library part CRCW0603100KFKEA, "RES SMD 100K OHM 1% 1/10W 0603", Device Package="0603 (1608 Metric)", Manufacturer="Vishay Dale", Operating Temperature="-55°C ~ 155°C", Power (Watts)="0.1W, 1/10W", Ratings=AEC-Q200, Supplier Device Package=0603, Supplier Part Number 1=541-100KHCT-ND, Temperature Coefficient=±100ppm/°C, Tolerance=±1%, ComponentLink1Description=Datasheet, ComponentLink1URL=http://www.vishay.com/docs/20035/dcrcwe3.pdf, ComponentLink2Description="DigiKey Link", ComponentLink2URL=http://digikey.com/product-detail/en/vishay-dale/CRCW0603100KFKEA/541-100KHCT-ND/1180038, Composition="Thick Film", Features="Automotive AEC-Q200", Height - Seated (Max)="0.020\" (0.50mm)", LastUpdated="9/2/2020 1:09:36 AM", Lifecycle Status=Active, Minimum Order=1, Number of Terminations=2, Package / Case="0603 (1608 Metric)", Packaging=CutTape, PartId=24639, Part Number=CRCW0603100KFKEA, Part Status=Active, Price=0.10, Resistance="100 kOhms", Series=CRCW, Size / Dimension="0.061\" L x 0.033\" W (1.55mm x 0.85mm)", Supplier 1=DigiKey
R48 R49 R54 R55 R56 R57 R58 R59 R67 R68 R69 R70 R71 R72 R79 R80 R81 R82 R83 R84 R92 R93 R94 R96 R97 R98: library part CRCW120680R6FKEA, "RES SMD 80.6 OHM 1% 1/4W 1206", Device Package="1206 (3216 Metric)", Manufacturer="Vishay Dale", Operating Temperature="-55°C ~ 155°C", Power (Watts)="0.25W, 1/4W", Ratings=AEC-Q200, Supplier Device Package=1206, Supplier Part Number 1=541-80.6FCT-ND, Temperature Coefficient=±100ppm/°C, Tolerance=±1%, ComponentLink1Description=Datasheet, ComponentLink1URL=http://www.vishay.com/docs/20035/dcrcwe3.pdf, ComponentLink2Description="DigiKey Link", ComponentLink2URL=http://digikey.com/product-detail/en/vishay-dale/CRCW120680R6FKEA/541-80.6FCT-ND/1181635, Composition="Thick Film", Features="Automotive AEC-Q200", Height - Seated (Max)="0.024\" (0.60mm)", LastUpdated="9/2/2020 1:12:49 AM", Lifecycle Status=Active, Minimum Order=1, Number of Terminations=2, Package / Case="1206 (3216 Metric)", Packaging=TapeAndReel, PartId=35493, Part Number=CRCW120680R6FKEA, Part Status=Active, Price=0.01, Resistance="80.6 Ohms", Series=CRCW, Size / Dimension="0.126\" L x 0.063\" W (3.20mm x 1.60mm)", Supplier 1=DigiKey